# Altium PCB ZYNQ7010_AD9363.PcbDoc (part 2 of 6) (continued)
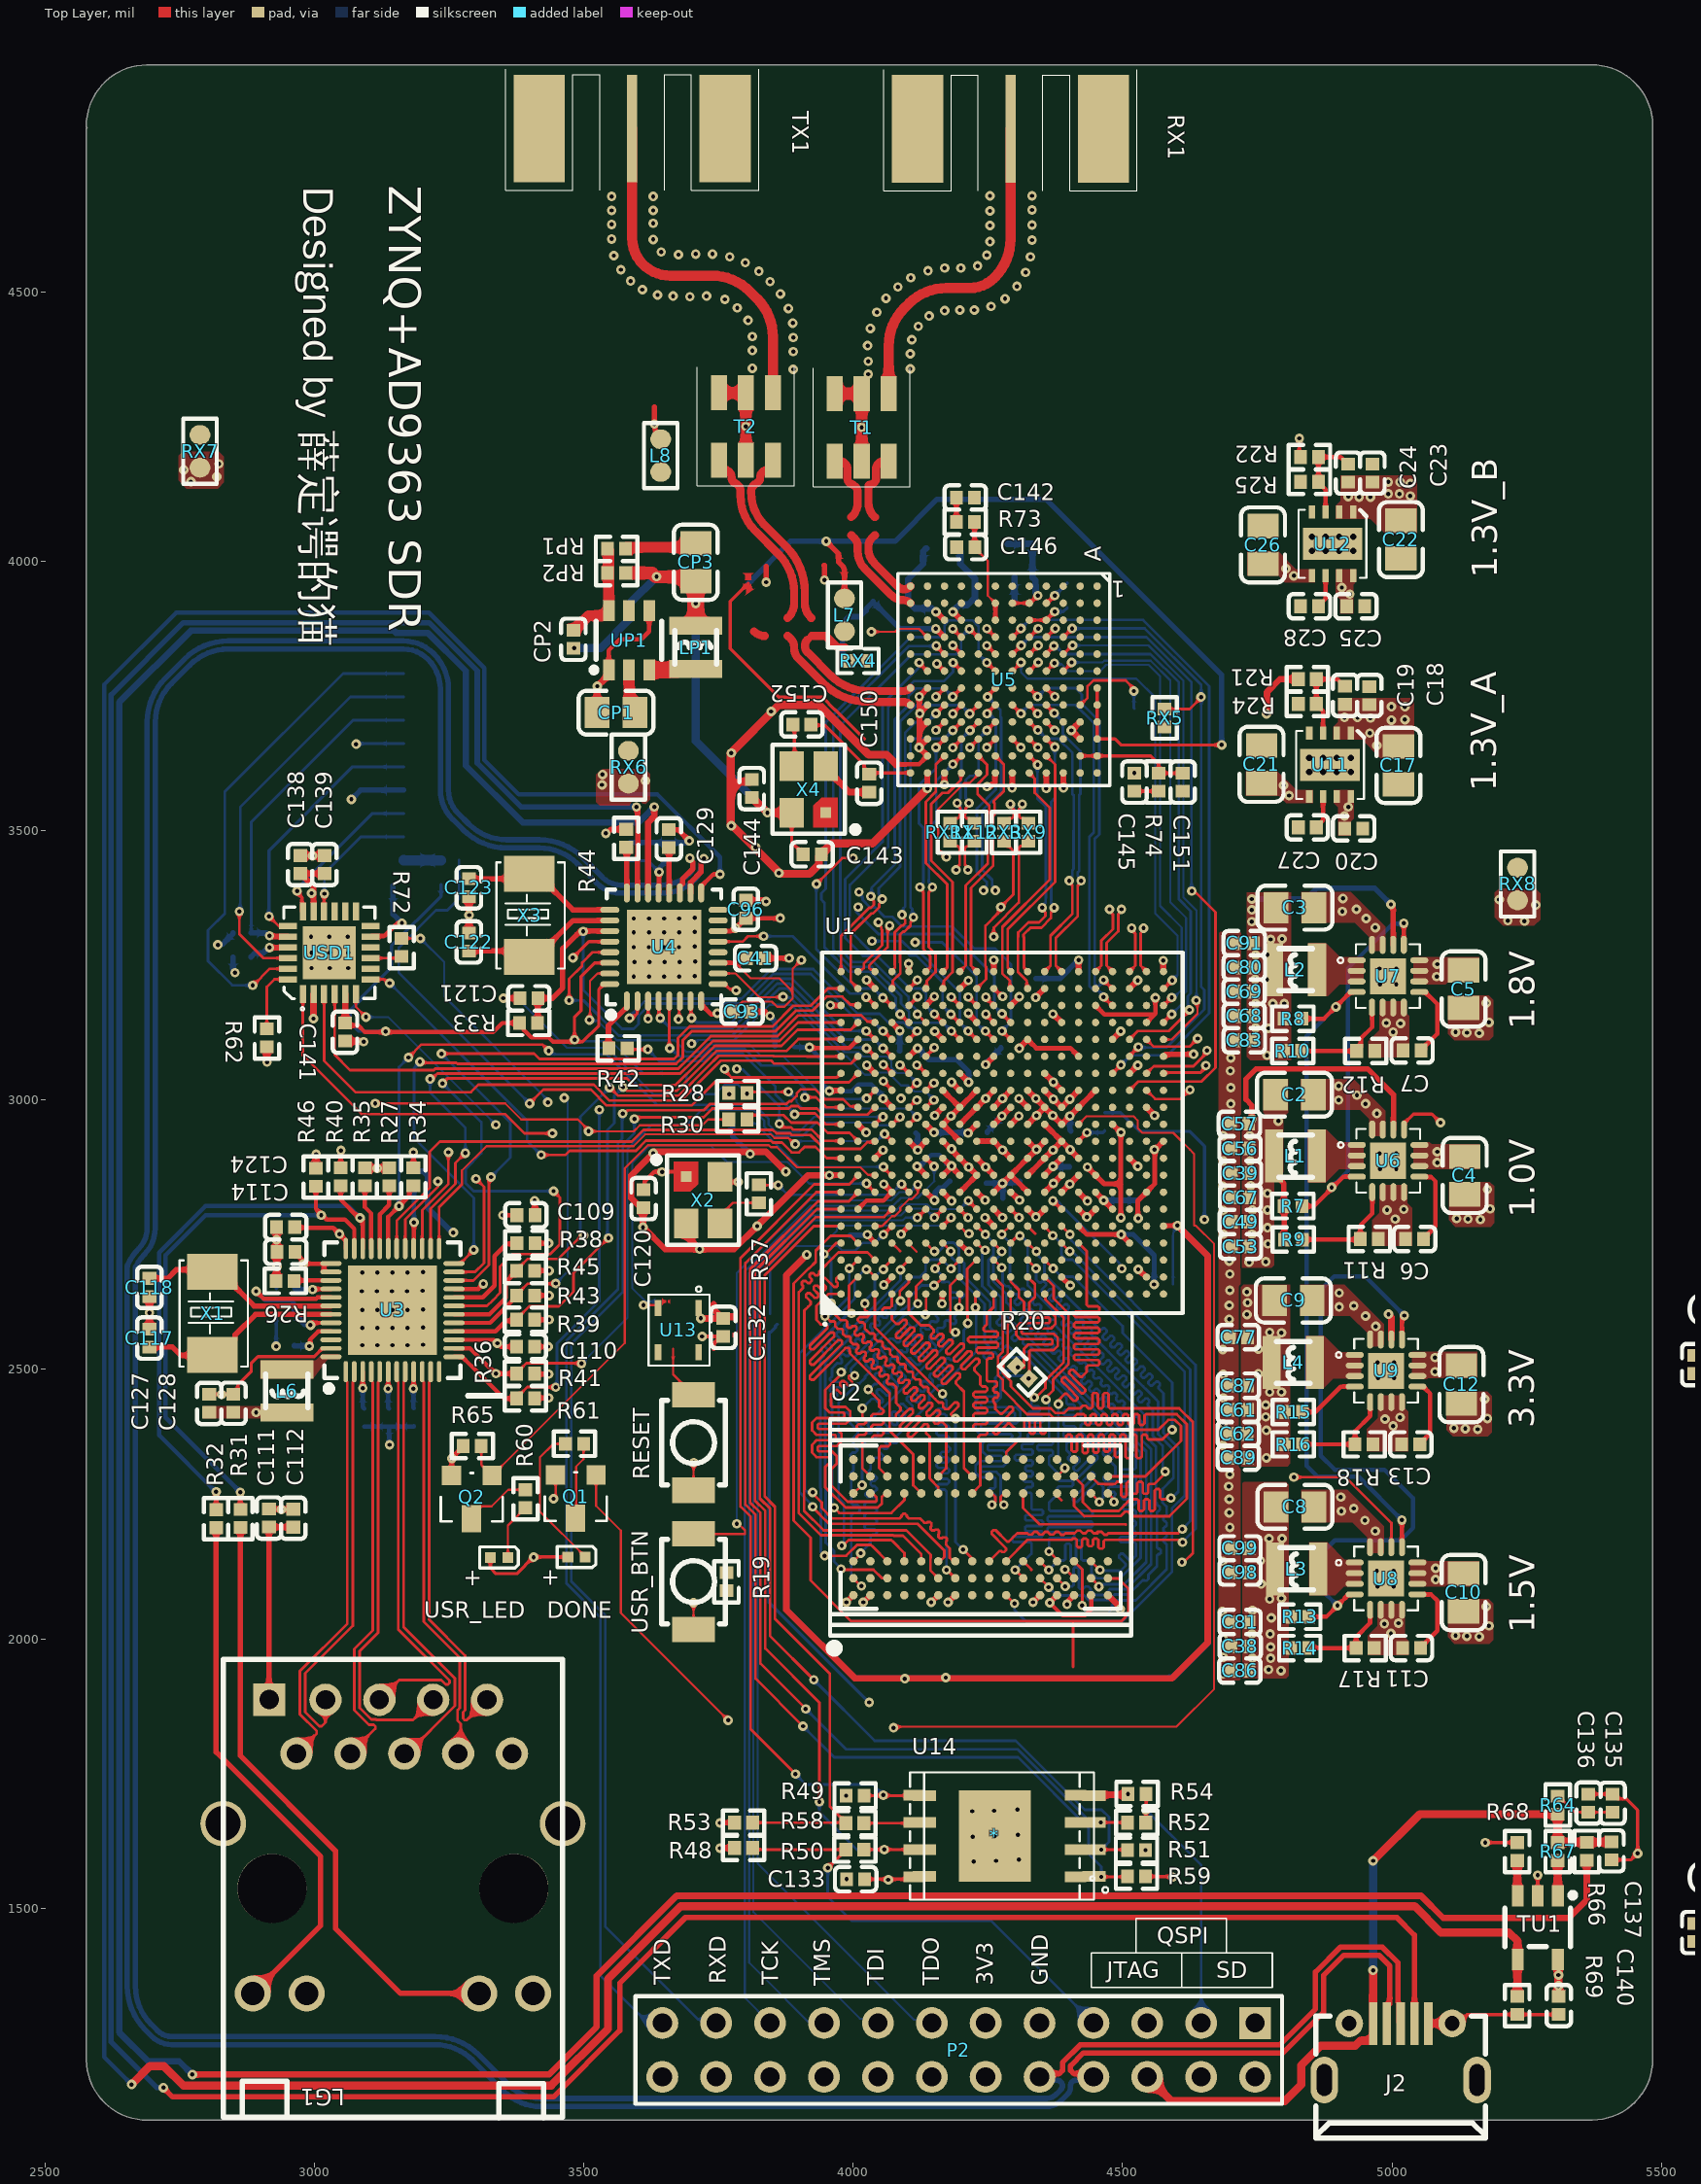
[diagram p0: Top Layer view]
## Nets (pads, with @x,y where several pads share a name; then routed paths per layer and width w, separated by ;. In a path a pad name is that pad's centre, name@x,y a point inside that pad or via, vN(x,y) a via of type N, cw(c..) or ccw(c..) an arc to the next point about the centre after c; other vN are vias at no path point) (continued)
DDR3_A9: U1.J4 U2.R3 | length 1127
  Top Layer w5: U1.J4@4229.28,2734.84 4242.94,2721.18 4243.06,2721.3 v1(4245.11,2721.3) ; U2.R3@4441.5,2144 4458.39,2127.12 4458,2127.5 v1(4458,2128)
  Bottom Layer w5: v1(4245.11,2721.3) 4245.11,2720.91 4239.43,2715.23 4239.43,2654.76 4264.28,2629.92 4264.28,2607.86 4271.47,2600.67 4273.21,2598.92 4273.21,2595.39 4266.79,2588.96 4266.79,2585.42 4270.32,2581.89 4273.86,2581.89 4280.28,2588.32 4283.82,2588.32 4287.36,2584.78 4287.36,2581.25 4280.58,2574.47 4280.58,2570.94 4284.12,2567.4 4287.66,2567.4 4294.43,2574.17 4297.96,2574.17 4301.5,2570.64 4301.5,2567.1 4294.73,2560.33 4294.73,2556.8 4298.26,2553.26 4301.8,2553.26 4308.57,2560.03 4312.1,2560.03 4315.64,2556.5 4315.64,2552.96 4315.06,2552.38 4315.06,2548.85 4318.6,2545.31 4322.13,2545.31 4322.71,2545.89 4326.25,2545.89 4328.01,2544.12 4506.05,2366.09 4506.05,2356.21 4517.17,2345.09 4520.96,2341.29 4524.5,2337.76 4524.5,2334.76 4524.5,2324.76 4524.5,2317.26 4522,2314.76 4499.26,2314.76 4496.76,2312.26 4496.76,2307.26 4499.26,2304.76 4522,2304.76 4524.5,2302.26 4524.5,2299.76 4524.5,2280.43 4524.5,2279.19 4524.5,2271.69 4522,2269.19 4501.09,2269.19 4498.59,2266.69 4498.59,2261.69 4501.09,2259.19 4522,2259.19 4524.5,2256.69 4524.5,2251.69 4522,2249.19 4503.1,2249.19 4500.6,2246.69 4500.6,2241.69 4503.1,2239.19 4522,2239.19 4524.5,2236.69 4524.5,2231.69 4522,2229.19 4520.66,2229.19 4518.16,2226.69 4518.16,2221.69 4520.66,2219.19 4522,2219.19 4524.5,2216.69 4524.5,2211.2 4522.49,2209.19 4519.99,2206.69 4519.99,2201.69 4522.49,2199.19 4524.5,2197.18 4524.5,2191.69 4522,2189.19 4497.35,2189.19 4494.85,2186.69 4494.85,2181.69 4497.35,2179.19 4522,2179.19 4524.5,2176.69 4524.5,2169.19 4524.5,2159.19 4524.5,2154.19 4521.58,2151.27 4516.28,2145.97 4512.74,2145.97 4500.7,2158.01 4497.17,2158.01 4493.63,2154.48 4493.63,2150.94 4505.67,2138.9 4505.67,2135.36 4500.37,2130.06 4496.83,2126.52 4487.79,2126.52 4477.79,2126.52 4472.79,2126.52 4459.48,2126.52 4459,2127 v1(4458,2128)
DDR3_A10: U1.F5 U2.L7 | length 230.9
  Top Layer w5: U2.L7@4315.52,2270 4315.52,2242.76 4345.65,2212.62 4351.54,2212.62 4405.64,2212.62 4506.22,2212.62 4506.22,2212.11
DDR3_A11: U1.G4 U2.R7 | length 1126.7
  Top Layer w4: v1(4181.16,2719.27) v1@4181.16,2719.96
  Top Layer w5: U1.G4@4166.28,2734.84 v1@4181.16,2719.96 ; U2.R7@4441.5,2270 4456.63,2254.88 4457,2254.5 v1(4457,2254)
  Bottom Layer w5: v1(4181.16,2719.27) 4183.2,2717.23 4183.2,2707.54 4197,2693.74 4197,2668.91 4244.28,2621.64 4244.28,2609.21 4244.1,2609.04 4244.1,2550.78 4247.64,2547.25 4252.94,2541.94 4252.94,2538.41 4241.95,2527.41 4241.95,2523.88 4245.48,2520.34 4249.02,2520.34 4260.01,2531.34 4263.55,2531.34 4264.26,2530.62 4272.26,2522.63 4321.23,2522.63 4395.02,2448.83 4396.15,2447.7 4396.15,2444.95 4396.15,2437.45 4398.65,2434.95 4408.91,2434.95 4411.41,2432.45 4411.41,2427.45 4408.91,2424.95 4396.15,2424.95 4392.97,2424.95 4390.47,2422.45 4390.47,2417.45 4392.97,2414.95 4396.15,2414.95 4410.13,2414.95 4412.63,2412.45 4412.63,2407.45 4410.13,2404.95 4396.15,2404.95 4392.97,2404.95 4390.47,2402.45 4390.47,2397.45 4392.97,2394.95 4396.15,2394.95 4410.13,2394.95 4412.63,2392.45 4412.63,2387.45 4410.13,2384.95 4396.15,2384.95 4392.97,2384.95 4390.47,2382.45 4390.47,2377.45 4392.97,2374.95 4396.15,2374.95 4417.77,2374.95 4420.27,2372.45 4420.27,2367.45 4417.77,2364.95 4398.65,2364.95 4396.15,2362.45 4396.15,2354.95 4396.15,2349.95 4397.03,2349.07 4402.33,2343.76 4402.33,2340.23 4398.97,2336.86 4398.97,2333.33 4402.5,2329.79 4406.04,2329.79 4411.17,2334.93 4413.3,2337.06 4416.84,2337.06 4420.38,2333.52 4420.38,2329.99 4418.24,2327.85 4409.27,2318.88 4409.27,2315.35 4412.81,2311.81 4416.35,2311.81 4425.32,2320.78 4446.85,2342.32 4450.39,2342.32 4453.93,2338.79 4453.93,2335.25 4432.39,2313.71 4416.53,2297.86 4416.53,2294.32 4420.07,2290.79 4423.6,2290.79 4439.46,2306.64 4441.49,2308.68 4445.03,2308.68 4448.56,2305.14 4448.56,2301.6 4446.53,2299.57 4408.11,2261.15 4408.11,2257.62 4411.64,2254.08 4415.18,2254.08 4451.83,2290.73 4455.37,2290.73 4460.67,2285.43 4464.21,2281.89 4464.21,2281.01 4464.21,2271.01 4464.21,2266.01 4464.21,2262.16 4457,2254.95 v1(4457,2254)
DDR3_A12: U1.E4 U2.N7 | length 41.4
  Top Layer w4: U1.E4@4102.34,2733.99 4117.81,2718.52
  Top Layer w5: U2.N7@4377.57,2269.14 4374.89,2269.14 4386.8,2257.23
DDR3_A13: U1.D4 U2.T3 | length 21.4
  Top Layer w5: U1.D4@4071.8,2734.84 4086.96,2719.68
DDR3_A14: U1.F4 U2.T7 | length 1125.5
  Top Layer w4: v1@4150.5,2719.13 v1(4150.93,2719.13)
  Top Layer w5: U1.F4@4134.79,2734.84 v1@4150.5,2719.13 ; U2.T7@4473,2270 4486.76,2256.24 4486.76,2255.76 4486,2255 4485,2254 v1(4484,2254)
  Bottom Layer w5: v1(4150.93,2719.13) 4158.79,2719.13 4174.9,2735.24 4186.4,2735.24 4187.01,2734.62 4187.52,2734.62 4196.52,2725.63 4196.52,2712.9 4196,2712.39 4196,2707.47 4206,2697.47 4206,2673.28 4254.28,2625 4254.28,2605.07 4254.1,2604.89 4254.1,2577.91 4257.64,2574.37 4262.94,2569.07 4262.94,2565.54 4255.55,2558.15 4255.55,2554.61 4259.09,2551.08 4262.62,2551.08 4270.01,2558.46 4273.55,2558.46 4277.08,2554.93 4277.08,2551.39 4269.7,2544.01 4269.7,2540.47 4273.23,2536.94 4276.77,2536.94 4284.15,2544.32 4287.69,2544.32 4292.99,2539.02 4297,2535.01 4299.38,2532.63 4325.37,2532.63 4422.63,2435.37 4422.63,2415.7 4422.63,2411.73 4425.13,2409.23 4448.77,2409.23 4451.27,2406.73 4451.27,2401.73 4448.77,2399.23 4425.13,2399.23 4422.63,2396.73 4422.63,2389.23 4422.63,2384.23 4426.65,2380.2 4431.96,2374.89 4431.96,2371.36 4430.26,2369.66 4430.26,2366.13 4433.8,2362.59 4437.34,2362.59 4440.8,2366.05 4464.6,2389.86 4468.14,2389.86 4471.67,2386.32 4471.67,2382.79 4449.64,2360.75 4449.64,2357.22 4453.17,2353.68 4456.71,2353.68 4478.74,2375.72 4482.28,2375.72 4485.81,2372.18 4485.81,2368.65 4463.78,2346.61 4463.78,2343.07 4467.31,2339.54 4470.85,2339.54 4489.16,2357.85 4492.7,2357.85 4496.23,2354.31 4496.23,2350.78 4477.92,2332.47 4477.92,2328.93 4483.22,2323.63 4486.76,2320.09 4486.76,2312.62 4486.76,2305.12 4484.26,2302.62 4467.61,2302.62 4465.11,2300.12 4465.11,2295.12 4467.61,2292.62 4486.76,2292.62 4512,2292.62 4514.5,2290.12 4514.5,2285.12 4512,2282.62 4486.76,2282.62 4476.7,2282.62 4474.2,2280.12 4474.2,2275.12 4476.7,2272.62 4484.26,2272.62 4486.76,2270.12 4486.76,2267.62 4486.76,2267.14 4485,2265.38 4484,2264.38 v1(4484,2254)
DDR3_BA0: U1.L5 U2.M2 | length 1076.5
  Top Layer w5: v1(4275.79,2750.6) 4275.79,2751.29 U1.L5@4291.55,2767.05 ; U2.M2@4346.3,2113.23 4362.97,2096.56 v1(4362.97,2095.82)
  Bottom Layer w5: v1(4275.79,2750.6) 4291.19,2735.2 4291.19,2665.53 4292.51,2664.21 4296.04,2660.68 4303.11,2653.6 4308.42,2648.3 4311.95,2648.3 4313.18,2649.52 4316.71,2649.52 4320.25,2645.99 4320.25,2642.45 4319.02,2641.23 4319.02,2637.7 4322.56,2634.16 4326.1,2634.16 4327.32,2635.38 4330.85,2635.38 4334.39,2631.85 4334.39,2628.31 4333.17,2627.09 4333.17,2623.55 4336.7,2620.02 4340.24,2620.02 4341.46,2621.24 4345,2621.24 4348.53,2617.7 4348.53,2614.17 4347.31,2612.95 4347.31,2609.41 4350.84,2605.88 4354.38,2605.88 4355.6,2607.1 4359.14,2607.1 4362.67,2603.56 4362.67,2600.03 4361.45,2598.8 4361.45,2595.27 4364.99,2591.73 4368.52,2591.73 4369.3,2592.51 4372.83,2592.51 4376.37,2588.97 4376.37,2585.44 4375.59,2584.66 4375.59,2581.13 4380.9,2575.82 4387.97,2568.75 4395.04,2561.68 4402.11,2554.61 4409.18,2547.54 4416.25,2540.47 4423.32,2533.4 4427.1,2529.62 4545.33,2411.39 4545.33,2373.5 4562,2356.83 4562,2251.3 4563.78,2249.52 ; v1(4362.97,2095.82) 4378.4,2080.39 4428.63,2080.39 4436.58,2072.43 4475.03,2072.43 4484.8,2082.2 4507.86,2082.2 4511.17,2082.2 4527.26,2098.29 4537.26,2108.3 4540.8,2108.3 4541.2,2107.89 4544.74,2107.89 4548.27,2111.43 4548.27,2114.96 4547.87,2115.37 4547.87,2118.9 4553.17,2124.21 4560.24,2131.28 4563.78,2134.81 4563.78,2147.14 4563.78,2154.52 4566.28,2157.02 4568.44,2157.02 4570.94,2159.52 4570.94,2164.52 4568.44,2167.02 4566.28,2167.02 4563.78,2169.52 4563.78,2177.02 4563.78,2187.02 4563.78,2197.02 4563.78,2207.02 4563.78,2217.02 4563.78,2227.02 4563.78,2234.52 4566.28,2237.02 4566.61,2237.02 4569.11,2239.52 4569.11,2244.52 4566.61,2247.02 4566.28,2247.02 4563.78,2249.52 ; 4563.78,2252.02 4563.78,2249.52
DDR3_BA1: U1.R4 U2.N8 | length 1123.6
  Top Layer w5: U2.N8@4378.51,2301.49 4393,2315.98 v1(4393,2317) ; v1(4380.89,2435.72) 4380.89,2442.58 4393.21,2454.9 4396.22,2454.9 4409.46,2441.66 4412.99,2441.66 4416.53,2445.19 4416.53,2448.73 4401.78,2463.48 4387.04,2478.22 4387.04,2481.76 4390.57,2485.29 4394.11,2485.29 4408.86,2470.55 4423.6,2455.8 4427.14,2455.8 4430.67,2459.34 4430.67,2462.87 4415.93,2477.62 4401.18,2492.36 4401.18,2495.9 4404.72,2499.43 4408.25,2499.43 4421.23,2486.46 4424.77,2486.46 4430.07,2491.76 4433.6,2495.29 4433.6,2497.4 4433.6,2504.9 4436.1,2507.4 4454.46,2507.4 4456.96,2509.9 4456.96,2514.9 4454.46,2517.4 4433.6,2517.4 4412.75,2517.4 4410.25,2519.9 4410.25,2524.9 4412.75,2527.4 4433.6,2527.4 4454.46,2527.4 4456.96,2529.9 4456.96,2534.9 4454.46,2537.4 4433.6,2537.4 4412.75,2537.4 4410.25,2539.9 4410.25,2544.9 4412.75,2547.4 4433.6,2547.4 4454.46,2547.4 4456.96,2549.9 4456.96,2554.9 4454.46,2557.4 4433.6,2557.4 4412.75,2557.4 4410.25,2559.9 4410.25,2564.9 4412.75,2567.4 4433.6,2567.4 4454.46,2567.4 4456.96,2569.9 4456.96,2574.9 4454.46,2577.4 4433.6,2577.4 4412.75,2577.4 4410.25,2579.9 4410.25,2584.9 4412.75,2587.4 4433.6,2587.4 4454.46,2587.4 4456.96,2589.9 4456.96,2594.9 4454.46,2597.4 4433.6,2597.4 4412.75,2597.4 4410.25,2599.9 4410.25,2604.9 4412.75,2607.4 4433.6,2607.4 4454.46,2607.4 4456.96,2609.9 4456.96,2614.9 4454.46,2617.4 4436.1,2617.4 4433.6,2619.9 4433.6,2622.4 4433.6,2719.49 U1.R4@4418.25,2734.84
  Bottom Layer w5: v1(4380.89,2435.72) 4380.89,2329.19 4393,2317.08 v1(4393,2317)
DDR3_BA2: U1.J5 U2.M3 | length 1122.3
  Top Layer w4: v1@4245.35,2750.36 v1(4245.57,2750.36)
  Top Layer w5: U1.J5@4229.28,2766.43 v1@4245.35,2750.36 ; U2.M3@4347.02,2144.1 4347.02,2143.9 v1(4363.06,2127.86)
  Bottom Layer w5: v1(4245.57,2750.36) 4260.47,2735.46 4260.47,2712.47 4251.47,2703.47 4251.47,2656.97 4274.87,2633.56 4274.87,2609.99 4515.05,2369.82 4515.05,2364.18 4533.5,2345.73 4533.5,2150.46 4495.68,2112.64 4451.64,2112.64 4442.64,2121.64 4442.64,2141.33 4438.75,2145.23 4433.75,2145.23 4426.25,2145.23 4423.75,2147.73 4423.75,2180.54 4421.25,2183.04 4416.25,2183.04 4413.75,2180.54 4413.75,2145.23 4411.25,2142.73 4406.25,2142.73 4403.75,2145.23 4403.75,2174.02 4401.25,2176.52 4396.25,2176.52 4393.75,2174.02 4393.75,2147.73 4391.25,2145.23 4383.75,2145.23 4381.46,2145.23 4380.64,2145.23 4363.27,2127.86 v1(4363.06,2127.86)
DDR3_CAS: U1.P5 U2.K3 | length 1125.1
  Top Layer w5: U2.K3@4284.02,2144 4323.71,2183.69 4386.8,2183.69 4405.08,2183.69 4405.13,2183.74 ; U1.P5@4386.76,2766.33 v1(4402.5,2750.59) ; 4405.13,2183.69 4407.63,2186.19 4412.63,2186.19 4415.13,2183.69 4415.13,2172.38 4417.63,2169.88 4422.63,2169.88 4425.13,2172.38 4425.13,2183.69 4427.63,2186.19 4432.63,2186.19 4435.13,2183.69 4435.13,2174.66 4437.63,2172.16 4442.63,2172.16 4445.13,2174.66 4445.13,2183.69 4447.63,2186.19 4452.63,2186.19 4455.13,2183.69 4455.13,2170.03 4457.63,2167.53 4462.63,2167.53 4465.13,2170.03 4465.13,2181.19 4467.63,2183.69 4470.13,2183.69 4606.96,2183.69 v1(4611.46,2179.19)
  Bottom Layer w5: v1(4402.5,2750.59) 4404.52,2748.57 4404.52,2739.48 4635.66,2508.34 4635.66,2203.95 4611.46,2179.75 v1(4611.46,2179.19)
DDR3_CK_N: R20.2 U1.M2 U2.K7 | length 1120.5
  Top Layer w5: v1(4279.62,2248.68) 4273.97,2254.34 4273.97,2263.35 4280.27,2269.65 U2.K7@4284.24,2269.65 ; U1.M2@4323.97,2671.49 4337.36,2658.1 4337.36,2646.28 4337.36,2634.45 4326.95,2624.04 4326.94,2608.25 4329.01,2606.18 4367.25,2606.18 4375.17,2598.25 4375.17,2584.11 4367.25,2576.18 4314.55,2576.18 4312.48,2574.11 4312.48,2568.25 4314.55,2566.18 4372.07,2566.18 4379.99,2558.25 4379.99,2544.11 4372.07,2536.18 4329.01,2536.18 4326.94,2534.11 4326.94,2486.27 R20.2@4330.62,2482.59
  Bottom Layer w5: v1(4279.62,2248.68) 4273.83,2254.48 4273.83,2301.99 4265.9,2309.92 4239.41,2309.92 4237.34,2311.99 4237.34,2317.85 4239.41,2319.92 4278.3,2319.92 4286.22,2327.85 4286.22,2341.99 4278.3,2349.92 4251.83,2349.92 4249.76,2351.99 4249.76,2357.85 4251.83,2359.92 4293.64,2359.92 4310.31,2376.59 4310.31,2381.99 4302.38,2389.92 4239.41,2389.92 4237.34,2391.99 4237.34,2397.85 4239.41,2399.92 4302.38,2399.92 4310.31,2407.85 4310.31,2421.99 4302.38,2429.92 4239.41,2429.92 4237.34,2431.99 4237.34,2437.85 4239.41,2439.92 4265.9,2439.92 4273.83,2447.85 4273.83,2480.35 4281.73,2488.25 4324.96,2488.25 v1@4330.62,2482.59
  other v1: 4325.83,2483.17
DDR3_CK_P: R20.1 U1.L2 U2.J7 | length 1105.2
  Top Layer w5: U2.J7@4252.74,2269.65 4257.49,2269.65 4263.97,2263.17 v1@4263.97,2253.48 ; U1.L2@4292.48,2671.49 4292.48,2662.6 4307.74,2647.34 4307.74,2634.31 4316.94,2625.11 4316.94,2604.11 4324.87,2596.18 4363.1,2596.18 4365.17,2594.11 4365.17,2588.25 4363.1,2586.18 4310.41,2586.18 4302.48,2578.25 4302.48,2564.11 4310.41,2556.18 4367.92,2556.18 4369.99,2554.11 4369.99,2548.25 4367.92,2546.18 4324.87,2546.18 4316.94,2538.25 4316.94,2507.53 4316.94,2503.68 R20.1@4310.47,2503.68
  Bottom Layer w5: v1(4257.53,2248.68) 4263.83,2254.98 4263.83,2265.3 4263.83,2266.45 4261.33,2268.95 4254.47,2268.95 4251.97,2271.45 4251.97,2276.45 4254.47,2278.95 4261.33,2278.95 4263.83,2281.45 4263.83,2288.95 4263.83,2293.95 4263.83,2297.85 4261.76,2299.92 4235.27,2299.92 4227.34,2307.85 4227.34,2321.99 4235.27,2329.92 4274.15,2329.92 4276.22,2331.99 4276.22,2337.85 4274.15,2339.92 4247.69,2339.92 4239.76,2347.85 4239.76,2361.99 4246.19,2368.42 4247.69,2369.92 4289.5,2369.92 4295.31,2375.73 4295.31,2376.99 4292.38,2379.92 4235.27,2379.92 4227.34,2387.85 4227.34,2401.99 4235.27,2409.92 4298.24,2409.92 4300.31,2411.99 4300.31,2417.85 4298.24,2419.92 4235.27,2419.92 4227.34,2427.85 4227.34,2441.99 4235.27,2449.92 4261.76,2449.92 4263.83,2451.99 4263.83,2484.49 4277.59,2498.25 4305.04,2498.25 v1@4310.47,2503.68
  other v1: 4305.68,2504.25
DDR3_CKE: U1.N3 U2.K9 | length 1257.7
  Top Layer w5: U2.K9@4284.02,2333 4284.02,2346.14 4307.86,2369.98 4325.36,2369.98 4330.36,2369.98 4340.36,2369.98 4342.87,2369.98 4347.87,2369.98 4357.87,2369.98 4361.77,2369.98 4366.77,2369.98 4376.77,2369.98 4380.67,2369.98 4385.67,2369.98 4393.17,2369.98 4395.67,2372.48 4395.67,2376.66 4398.17,2379.16 4403.17,2379.16 4405.67,2376.66 4405.67,2369.98 4405.67,2349.87 4408.17,2347.37 4413.17,2347.37 4415.67,2349.87 4415.67,2369.98 4415.67,2376.66 4418.17,2379.16 4423.17,2379.16 4425.67,2376.66 4425.67,2369.98 4425.67,2347.21 4428.17,2344.71 4433.17,2344.71 4435.67,2347.21 4435.67,2369.98 4435.67,2376.66 4438.17,2379.16 4443.17,2379.16 4445.67,2376.66 4445.67,2369.98 4445.67,2348.23 4448.17,2345.73 4453.17,2345.73 4455.67,2348.23 4455.67,2369.98 4455.67,2376.66 4458.17,2379.16 4463.17,2379.16 4465.67,2376.66 4465.67,2369.98 4465.67,2349.87 4468.17,2347.37 4473.17,2347.37 4475.67,2349.87 4475.67,2369.98 4475.67,2376.66 4478.17,2379.16 4483.17,2379.16 4485.67,2376.66 4485.67,2369.98 4485.67,2339.78 4488.17,2337.28 4493.17,2337.28 4495.67,2339.78 4495.67,2369.98 4495.67,2376.66 4498.17,2379.16 4503.17,2379.16 4505.67,2376.66 4505.67,2369.98 4505.67,2338 4508.17,2335.5 4513.17,2335.5 4515.67,2338 4515.67,2369.98 4515.67,2376.66 4518.17,2379.16 4523.17,2379.16 4525.67,2376.66 4525.67,2369.98 4525.67,2338 4528.17,2335.5 4533.17,2335.5 4535.67,2338 4535.67,2369.98 4535.67,2376.66 4538.17,2379.16 4543.17,2379.16 4545.67,2376.66 4545.67,2372.48 4548.17,2369.98 4555.67,2369.98 4557.31,2369.98 4568.51,2369.98 4573.77,2369.98 4591.05,2387.25 4591.8,2388 v1(4592,2388) ; U1.N3@4355.26,2703.34 v1(4371.22,2687.38)
  Bottom Layer w5: v1(4371.22,2687.38) 4386.29,2672.31 4408.41,2672.31 4500.2,2580.52 4500.2,2567.36 4592,2475.56 v1(4592,2388)
DDR3_CS: U1.N1 U2.L2 | length 1127.8
  Top Layer w5: v1(4300.75,2127.92) 4317,2111.66 U2.L2@4317,2110 ; U2.L2@4315.73,2112.16 U2.L2@4315.73,2113.82 ; v1(4336,2448) 4337.36,2448 4337.87,2447.49 4338.85,2447.49 4356.74,2465.37 4356.74,2477.12 4356.74,2479.6 4390.78,2513.65 4390.78,2595.89 4356.74,2629.94 U1.N1@4356.74,2637.84
  Bottom Layer w5: v1(4300.75,2127.92) 4331.02,2158.19 4331.02,2177.2 4328.52,2179.7 4297.78,2179.7 4295.28,2182.2 4295.28,2187.2 4297.78,2189.7 4331.02,2189.7 4349.97,2189.7 4352.47,2192.2 4352.47,2197.2 4349.97,2199.7 4331.02,2199.7 4321.93,2199.7 4319.43,2202.2 4319.43,2207.2 4321.93,2209.7 4331.02,2209.7 4349.97,2209.7 4352.47,2212.2 4352.47,2217.2 4349.97,2219.7 4331.02,2219.7 4321.93,2219.7 4319.43,2222.2 4319.43,2227.2 4321.93,2229.7 4331.02,2229.7 4349.97,2229.7 4352.47,2232.2 4352.47,2237.2 4349.97,2239.7 4333.52,2239.7 4331.02,2242.2 4331.02,2249.7 4331.02,2254.7 4331.02,2261.45 4331.02,2268.95 4328.52,2271.45 4322.49,2271.45 4319.99,2273.95 4319.99,2278.95 4322.49,2281.45 4331.02,2281.45 4333.52,2283.95 4333.52,2288.95 4331.02,2291.45 4318.79,2291.45 4316.29,2293.95 4316.29,2298.95 4318.79,2301.45 4331.02,2301.45 4333.52,2303.95 4333.52,2308.95 4331.02,2311.45 4322.19,2311.45 4319.69,2313.95 4319.69,2318.95 4322.19,2321.45 4331.02,2321.45 4333.52,2323.95 4333.52,2328.95 4331.02,2331.45 4302.75,2331.45 4300.25,2333.95 4300.25,2338.95 4302.75,2341.45 4331.02,2341.45 4333.52,2343.95 4333.52,2348.95 4331.02,2351.45 4315.64,2351.45 4313.14,2353.95 4313.14,2358.95 4315.64,2361.45 4331.02,2361.45 4332,2361.45 4334.5,2363.95 4334.5,2368.95 4332,2371.45 4331.02,2371.45 4326.84,2371.45 4324.34,2373.95 4324.34,2378.95 4326.84,2381.45 4331.02,2381.45 4349.85,2381.45 4352.35,2383.95 4352.35,2388.95 4349.85,2391.45 4331.02,2391.45 4323.62,2391.45 4321.12,2393.95 4321.12,2398.95 4323.62,2401.45 4331.02,2401.45 4349.85,2401.45 4352.35,2403.95 4352.35,2408.95 4349.85,2411.45 4331.02,2411.45 4326.84,2411.45 4324.34,2413.95 4324.34,2418.95 4326.84,2421.45 4331.02,2421.45 4344.15,2421.45 4346.65,2423.95 4346.65,2428.95 4344.15,2431.45 4333.52,2431.45 4331.02,2433.95 4331.02,2436.45 4331.02,2443.02 v1(4336,2448)
DDR3_DM0: U1.A1 U2.E7 | length 891.3
  Top Layer w5: U1.A1@3977.31,2640.35 3954.42,2640.35 3931.92,2617.85 3931.92,2611.77 3931.92,2606.77 3931.92,2596.77 3931.92,2591.87 3935.45,2588.33 3940.42,2583.37 3944.63,2583.37 3949.58,2583.37 3951.7,2581.25 3951.7,2576.3 3949.59,2574.19 3919.93,2544.52 3919.93,2539.57 3922.05,2537.45 3927,2537.45 3956.67,2567.12 3958.08,2568.53 3963.03,2568.53 3965.15,2566.41 3965.15,2561.46 3963.74,2560.05 3919.93,2516.24 3919.93,2511.29 3922.05,2509.17 3927,2509.17 3970.81,2552.97 3972.22,2554.39 3977.17,2554.39 3979.29,2552.27 3979.29,2547.32 3977.88,2545.9 3919.93,2487.95 3919.93,2483 3922.05,2480.88 3927,2480.88 3984.95,2538.83 3986.36,2540.25 3991.31,2540.25 3993.43,2538.12 3993.43,2533.18 ; 3993.55,2533.29 3994.01,2533.75 ; 3994.13,2533.87 3994.13,2529.65 4004.34,2519.45 4067.81,2455.97 4067.81,2386.28 4111.54,2342.55 4111.54,2285 U2.E7@4126.54,2270
DDR3_DM1: U1.F1 U2.D3 | length 842.8
  Top Layer w5: v1(3979,2172.95) 3981.31,2172.95 3991.72,2183.36 4070.98,2183.36 4073.09,2181.25 4095.05,2159.29 U2.D3@4095.05,2144 ; v1@4134.79,2600.27 4135.36,2600.84 4135.36,2639.64 U1.F1@4135,2640
  Bottom Layer w5: v1(3979,2172.95) 3979,2176.39 3983,2180.39 3983,2250.9 3973,2260.9 3973,2438.48 4008.19,2473.67 4011.67,2473.67 4022.16,2484.16 4022.16,2486.82 4031.1,2495.77 4031.1,2500.72 4024.11,2507.71 4024.11,2512.66 4026.23,2514.78 4031.18,2514.78 4038.18,2507.79 4043.12,2507.79 4045.25,2509.91 4045.25,2514.86 4038.25,2521.85 4038.25,2526.8 4040.38,2528.92 4045.33,2528.92 4052.32,2521.93 4057.27,2521.93 4059.39,2524.05 4059.39,2529 4052.4,2535.99 4052.4,2540.94 4054.52,2543.07 4059.47,2543.07 4066.46,2536.07 4071.41,2536.07 4073.53,2538.2 4073.53,2543.15 4066.54,2550.14 4066.54,2555.09 4068.66,2557.21 4073.61,2557.21 4080.6,2550.22 4085.55,2550.22 4087.67,2552.34 4087.67,2557.29 4080.68,2564.28 4080.68,2569.23 4082.8,2571.35 4087.75,2571.35 4094.74,2564.36 4099.69,2564.36 4101.81,2566.48 4101.81,2571.43 4094.82,2578.42 4094.82,2583.37 4096.94,2585.49 4101.89,2585.49 4108.89,2578.5 4113.84,2578.5 4118.43,2583.1 4121.97,2586.63 4134,2598.67 v1(4134,2602)
DDR3_DQ0: U1.C3 U2.E3 | length 889.7
  Top Layer w5: U1.C3@4040.3,2703.34 4026.58,2717.06 3972.8,2717.06 3972.66,2717.06 3962.78,2707.19 3962.78,2707.05 3939.22,2683.48 3937.31,2681.58 3937.31,2677.99 3933.83,2674.51 3930.24,2674.51 3926.38,2678.37 3921.43,2678.37 3919.31,2676.25 3919.31,2671.3 3923.17,2667.44 3923.17,2663.85 3919.69,2660.37 3916.1,2660.37 3912.24,2664.23 3907.29,2664.23 3905.17,2662.11 3905.17,2657.16 3906.55,2655.77 3906.55,2650.82 3905.49,2649.76 3899.24,2643.5 3899.24,2281.49 3899,2281.25 3899,2233.54 3940.18,2192.36 4074.71,2192.36 4075.82,2191.25 4092.78,2191.25 4126.54,2157.49 U2.E3@4126.54,2144
DDR3_DQ1: U1.B3 U2.F7 | length 833.8
  Top Layer w5: v1(3947.86,2598.72) 3948.36,2598.72 3955.28,2591.81 3957.75,2589.33 3959.88,2589.33 3964.83,2589.33 3966.95,2587.21 3966.95,2582.26 3966.95,2580.14 3971.89,2575.19 3974.02,2575.19 3978.97,2575.19 3981.09,2573.07 3981.09,2568.12 3981.09,2566 3986.04,2561.05 3988.16,2561.05 3993.11,2561.05 3995.23,2558.93 3995.23,2553.98 3995.23,2551.86 4000.18,2546.91 4002.3,2546.91 4007.25,2546.91 4009.37,2544.79 4009.37,2539.84 4008.31,2538.77 4006.2,2536.67 4006.2,2531.72 4008.33,2529.6 4013.28,2529.6 4015.38,2531.7 4016.45,2532.77 4021.39,2532.77 4023.52,2530.64 4023.52,2525.69 4022.45,2524.63 4020.35,2522.53 4020.35,2517.58 4022.47,2515.45 4027.42,2515.45 4029.53,2517.56 4030.59,2518.62 4035.54,2518.62 4037.66,2516.5 4037.66,2511.55 4036.6,2510.49 4034.49,2508.38 4034.49,2503.43 4036.61,2501.31 4041.56,2501.31 4043.67,2503.42 4044.73,2504.48 4049.68,2504.48 4051.8,2502.36 4051.8,2497.41 4050.74,2496.35 4048.63,2494.24 4048.63,2489.29 4050.75,2487.17 4055.7,2487.17 4057.81,2489.28 4058.87,2490.34 4063.82,2490.34 4065.94,2488.22 4065.94,2483.27 4064.88,2482.21 4062.77,2480.1 4062.77,2475.15 4064.89,2473.03 4069.84,2473.03 4074.06,2473.03 4079.02,2468.06 4079.73,2467.35 4079.73,2462.35 4079.73,2460.27 4079.73,2437.71 4083.27,2434.17 4087.86,2429.57 4087.86,2424.62 4079.34,2416.09 4079.34,2411.15 4081.46,2409.02 4086.41,2409.02 4097.41,2420.03 4104.13,2426.75 4109.08,2426.75 4111.2,2424.63 4111.2,2419.68 4104.48,2412.96 4087.27,2395.74 4087.27,2390.79 4089.39,2388.67 4094.34,2388.67 4111.55,2405.89 4118.27,2412.61 4123.22,2412.61 4125.34,2410.49 4125.34,2405.54 4118.62,2398.82 4101.41,2381.6 4101.41,2376.65 4103.53,2374.53 4108.48,2374.53 4125.69,2391.74 4132.42,2398.46 4137.37,2398.46 4139.49,2396.34 4139.49,2391.39 4135.24,2387.15 4135.24,2382.2 4142.17,2375.27 4142.17,2297.74 4143.67,2296.24 4143.67,2295.53 4157.33,2281.87 4158.04,2281.87 U2.F7@4158.04,2270 ; v1(3992.95,2687.49) U1.B3@4008.8,2703.34
  Bottom Layer w5: v1(3947.86,2598.72) 3956.44,2598.72 3992.95,2635.23 v1(3992.95,2687.49)
DDR3_DQ2: U1.A2 U2.F2 | length 890.2
  Top Layer w5: U1.A2@3977.31,2671.84 3971.77,2671.84 3969.46,2669.54 3968.4,2668.48 3968.4,2663.53 3971.42,2660.51 3971.42,2655.56 3969.3,2653.44 3964.35,2653.44 3958.86,2658.93 3948.1,2669.69 3943.15,2669.69 3941.03,2667.57 3941.03,2662.62 3949.31,2654.34 3949.31,2649.39 3947.19,2647.27 3942.24,2647.27 3933.96,2655.55 3929.01,2655.55 3926.89,2653.42 3926.89,2648.47 3935.17,2640.2 3935.17,2635.25 3933.05,2633.12 3928.1,2633.12 3919.82,2641.4 3914.87,2641.4 3912.75,2639.28 3912.75,2634.33 3921.03,2626.05 3921.03,2621.1 3916.43,2616.51 3909.36,2609.44 3909.24,2609.31 3909.24,2604.31 3909.24,2603.48 3909.24,2277.35 3909,2277.11 3909,2237.68 3945.3,2201.38 3962.63,2201.38 4098.59,2201.38 4144.02,2155.94 4144.02,2150.31 4143.67,2149.95 4143.67,2126.89 4144.02,2126.53 U2.F2@4158.04,2112.51
DDR3_DQ3: U1.A4 U2.F8 | length 842.9
  Top Layer w5: v1(3946,2714) 3946,2714.12 3948.88,2717 v1@3950,2715.88 ; v1@3951,2714.88 v1@3950,2715.88 ; v1(3959,2623) 3959,2610.81 3958.24,2610.06 3961.66,2606.64 3965.19,2603.11 3972.27,2596.03 3977.04,2591.26 3981.63,2591.26 3986.58,2591.26 3988.7,2589.13 3988.7,2584.18 3988.7,2579.6 3991,2577.3 3995.95,2577.3 3999.25,2580.6 4004.2,2580.6 4006.32,2578.47 4006.32,2573.52 4003.03,2570.22 4003.03,2565.28 4005.15,2563.15 4010.1,2563.15 4012.5,2565.56 4017.45,2565.56 4019.57,2563.43 4019.57,2558.48 4017.17,2556.08 4017.17,2551.13 4019.29,2549.01 4024.24,2549.01 4026.64,2551.41 4031.59,2551.41 4033.71,2549.29 4033.71,2544.34 4031.31,2541.94 4031.31,2536.99 4033.43,2534.87 4038.38,2534.87 4040.78,2537.27 4045.73,2537.27 4047.85,2535.15 4047.85,2530.2 4045.45,2527.8 4045.45,2522.85 4047.57,2520.73 4052.52,2520.73 4054.92,2523.13 4059.87,2523.13 4062,2521.01 4062,2516.06 4059.59,2513.66 4059.59,2508.71 4061.71,2506.59 4066.66,2506.59 4069.07,2508.99 4074.02,2508.99 4076.14,2506.87 4076.14,2501.92 4073.74,2499.51 4073.74,2494.56 4075.86,2492.44 4080.81,2492.44 4083.21,2494.85 4088.16,2494.85 4090.28,2492.72 4090.28,2487.77 4085.4,2482.9 4084.58,2482.07 4084.58,2477.12 4086.7,2475 4091.65,2475 4092.47,2475.83 4097.35,2480.7 4102.3,2480.7 4104.42,2478.58 4104.42,2473.63 4099.55,2468.76 4093.77,2462.98 4093.77,2458.03 4095.89,2455.91 4100.84,2455.91 4106.62,2461.68 4111.49,2466.56 4116.44,2466.56 4118.56,2464.44 4118.56,2459.49 4113.69,2454.61 4107.91,2448.84 4107.91,2443.89 4110.03,2441.77 4114.98,2441.77 4120.76,2447.54 4125.64,2452.42 4130.58,2452.42 4132.71,2450.3 4132.71,2445.35 4127.83,2440.47 4122.05,2434.7 4122.05,2429.75 4124.18,2427.62 4129.13,2427.62 4134.9,2433.4 4139.78,2438.28 4144.73,2438.28 4146.85,2436.16 4146.85,2431.21 4141.97,2426.33 4136.2,2420.55 4136.2,2415.6 4138.32,2413.48 4143.27,2413.48 4149.04,2419.26 4153.92,2424.13 4158.87,2424.13 4160.99,2422.01 4160.99,2417.06 4156.11,2412.19 4150.34,2406.41 4150.34,2401.46 4152.46,2399.34 4157.41,2399.34 4160.71,2402.64 4165.66,2402.64 4170.26,2398.04 4173.08,2395.22 4173.08,2390.22 4173.08,2380.22 4173.08,2379.28 4173.08,2316.53 U2.F8@4158.04,2301.49 ; U1.A4@3977.31,2734.84 3968.96,2734.84 3951.66,2717.54 v1@3950,2715.88
  Bottom Layer w5: v1(3946,2714) 3946,2716 3947,2717 3959,2705 v1(3959,2623)